# Altium PCB FMC_ADC_250M_16B_4ch.PcbDoc (part 1 of 8) (continued)
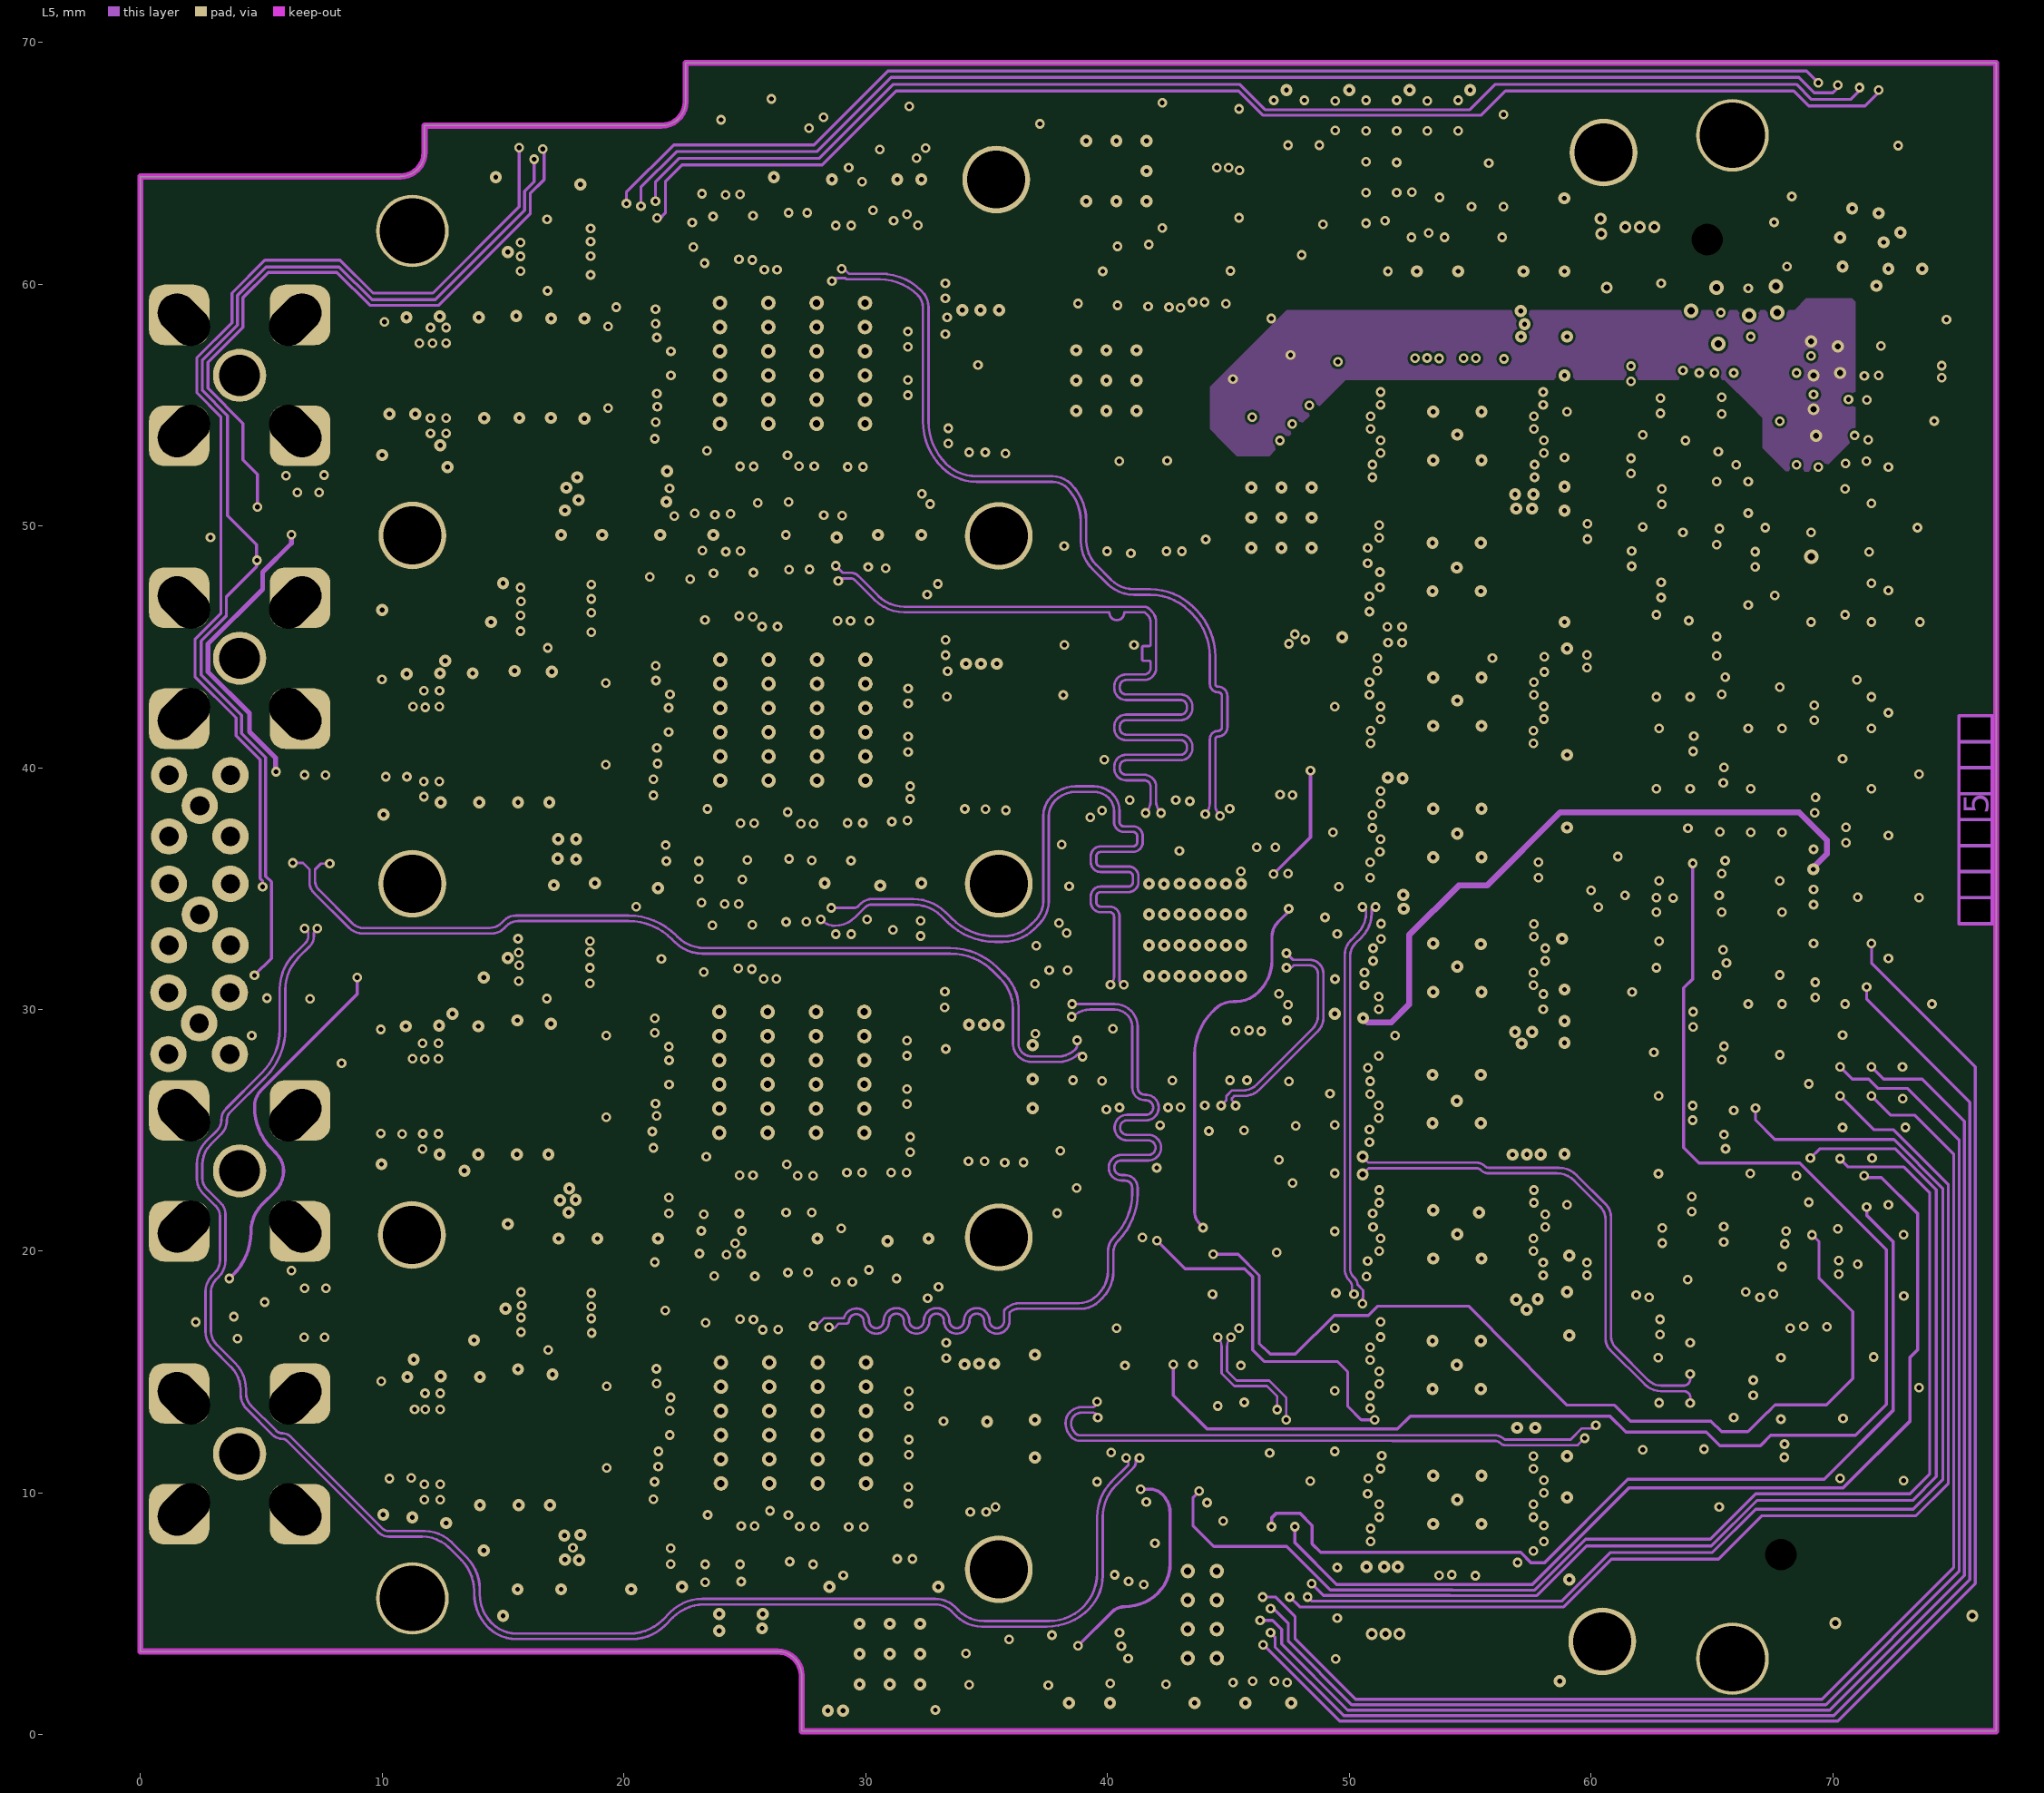
[diagram p5: L5]
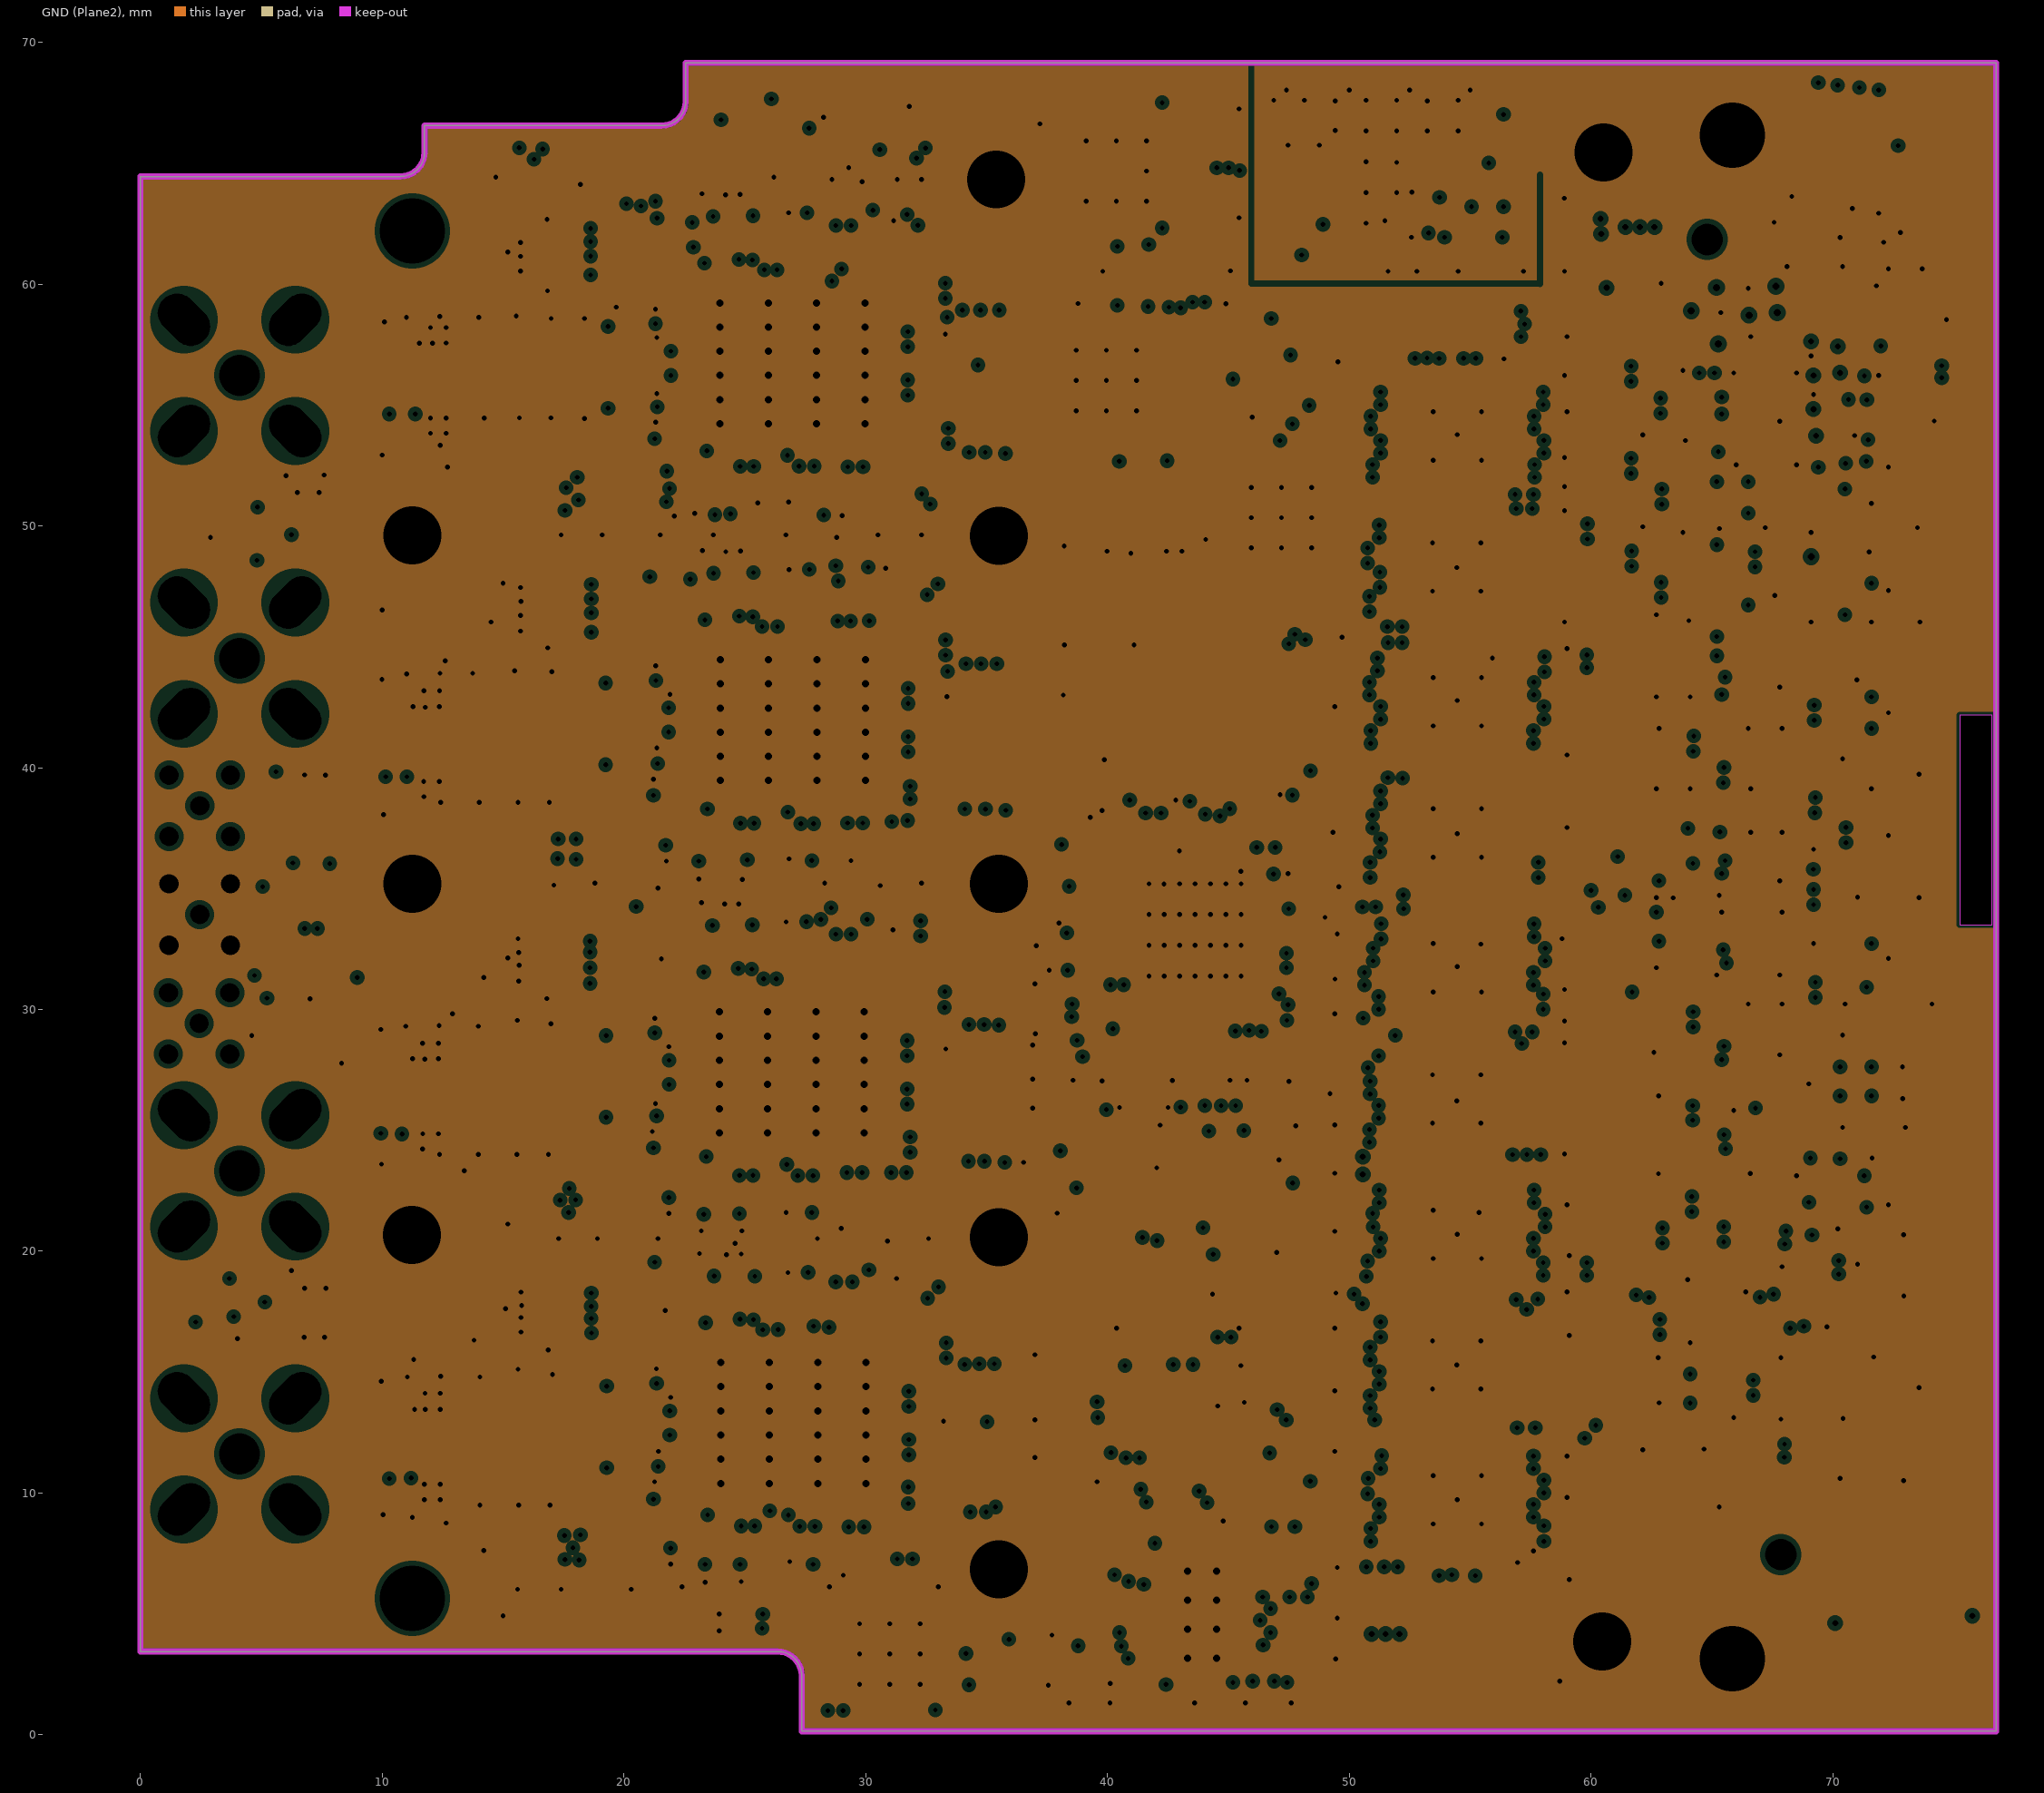
[diagram p6: GND (Plane2), clearances drawn from the general rule]
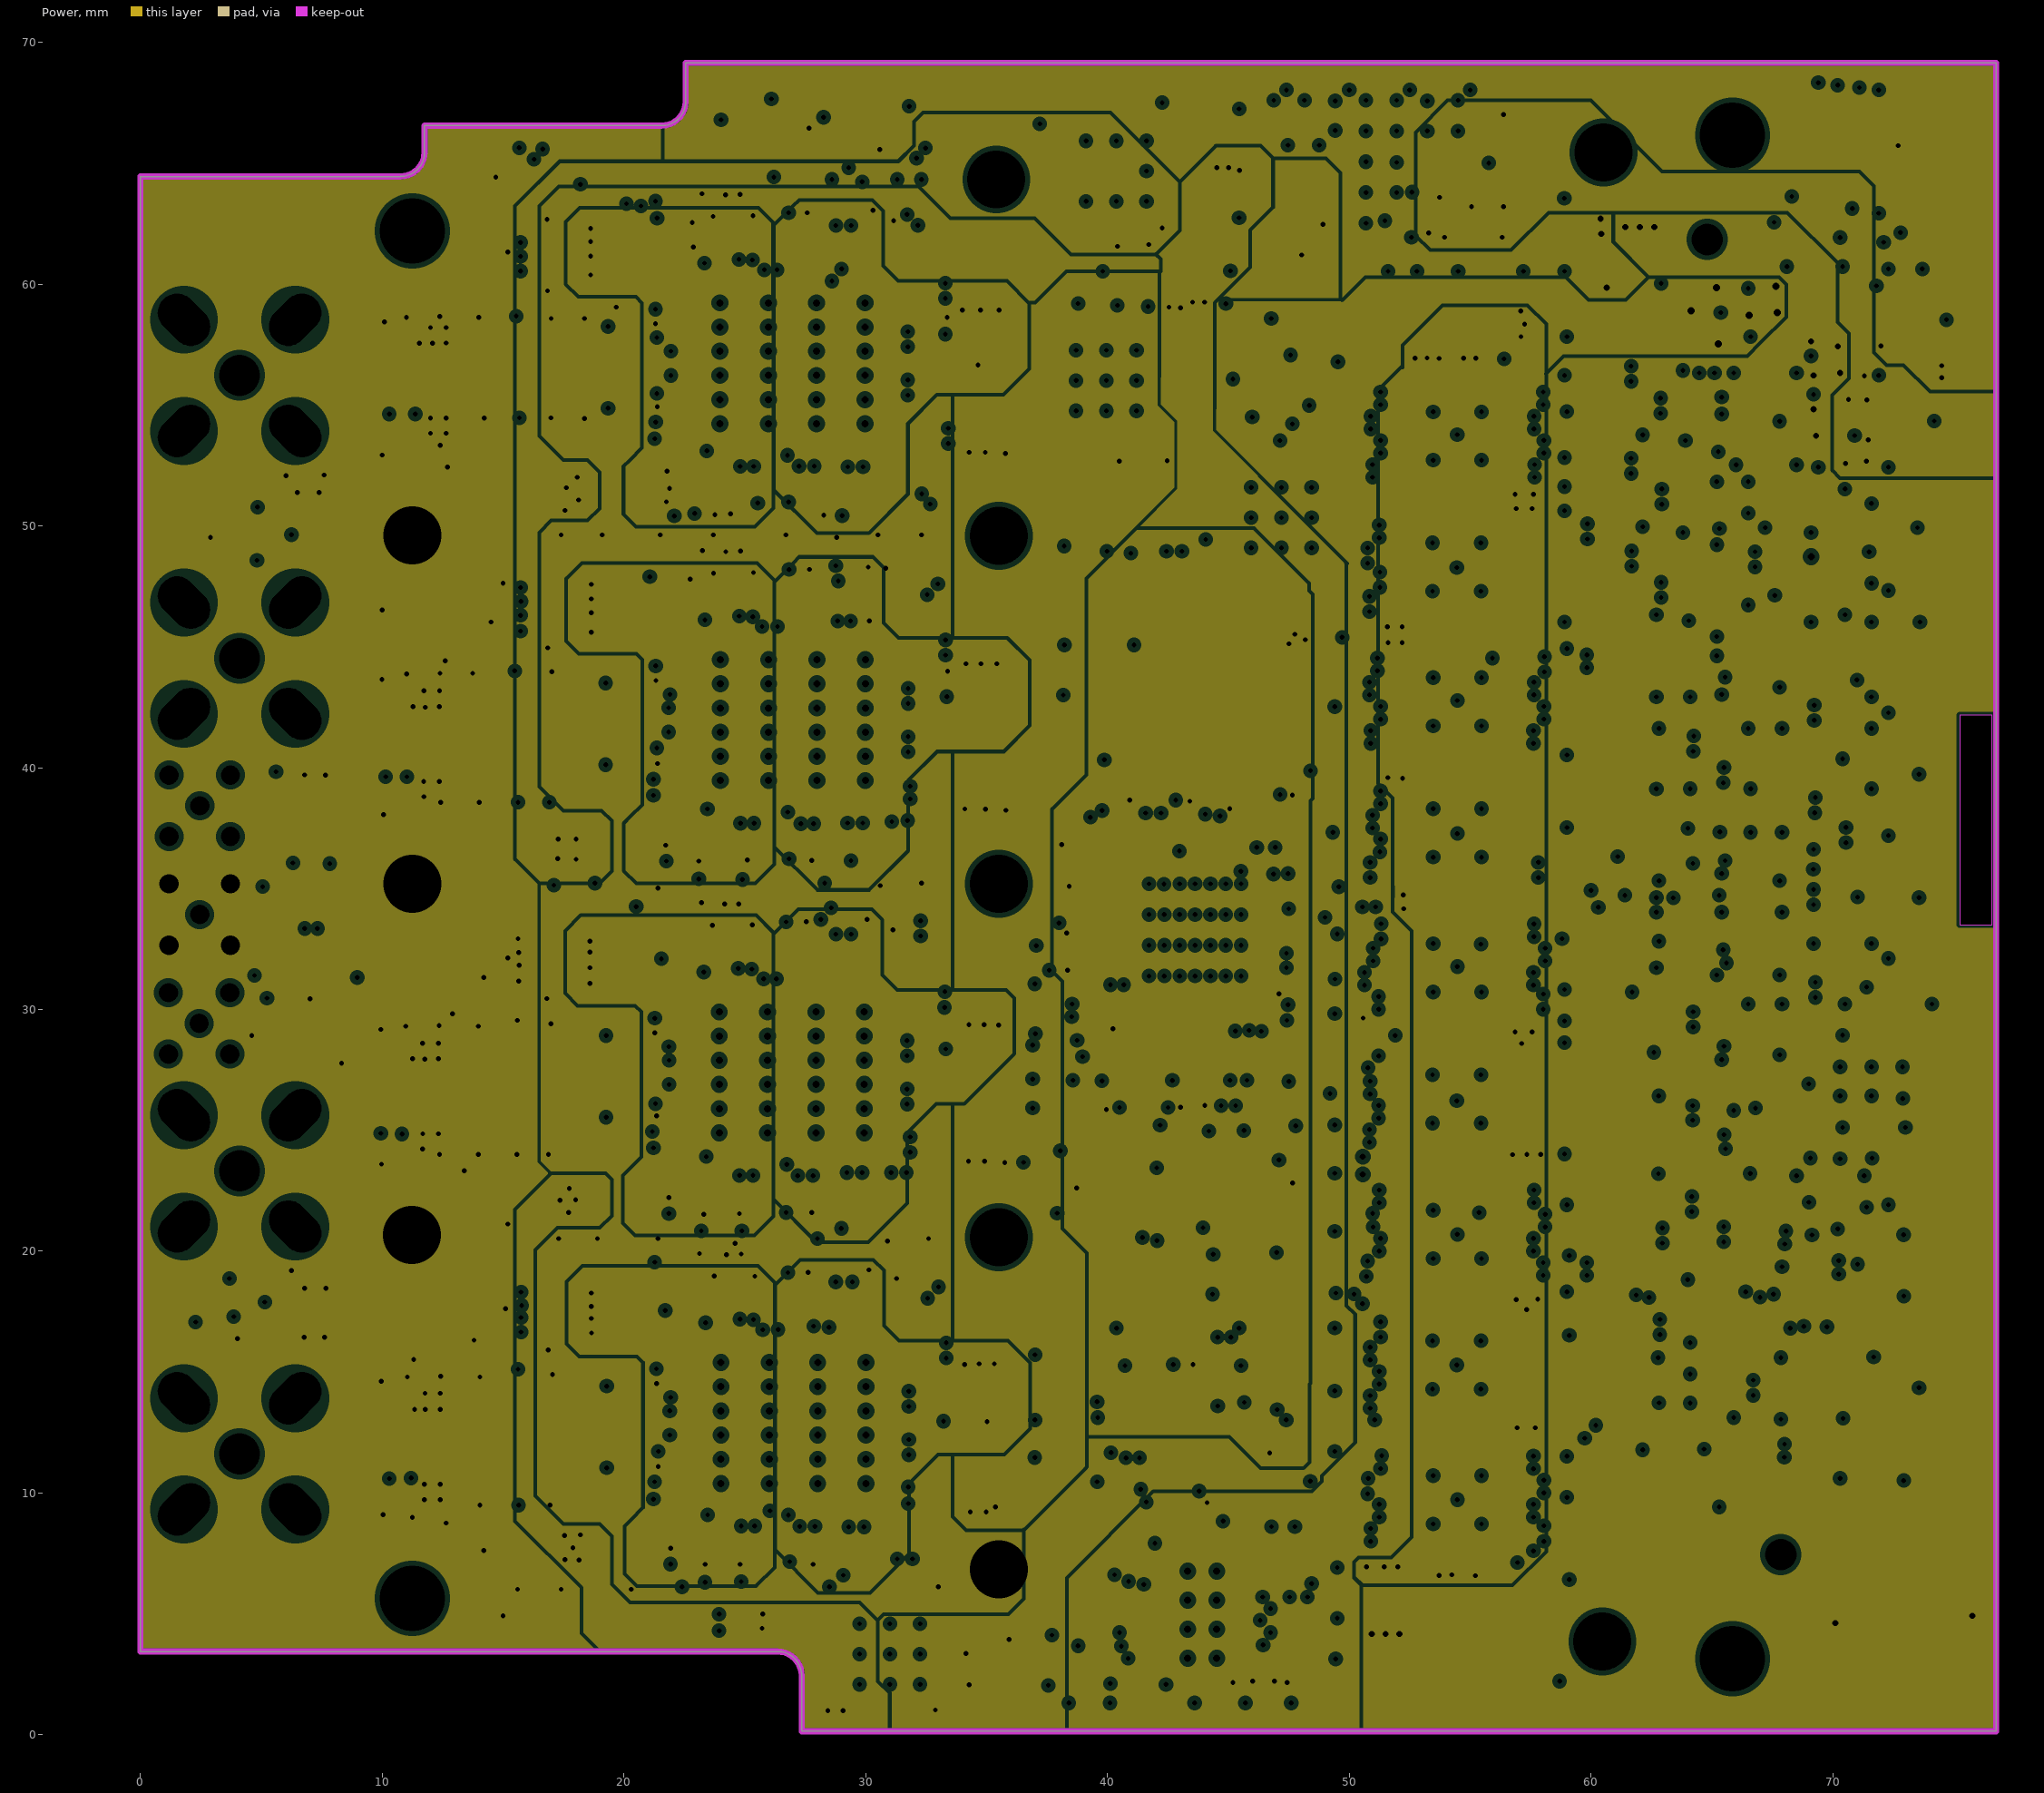
[diagram p7: Power, clearances drawn from the general rule]
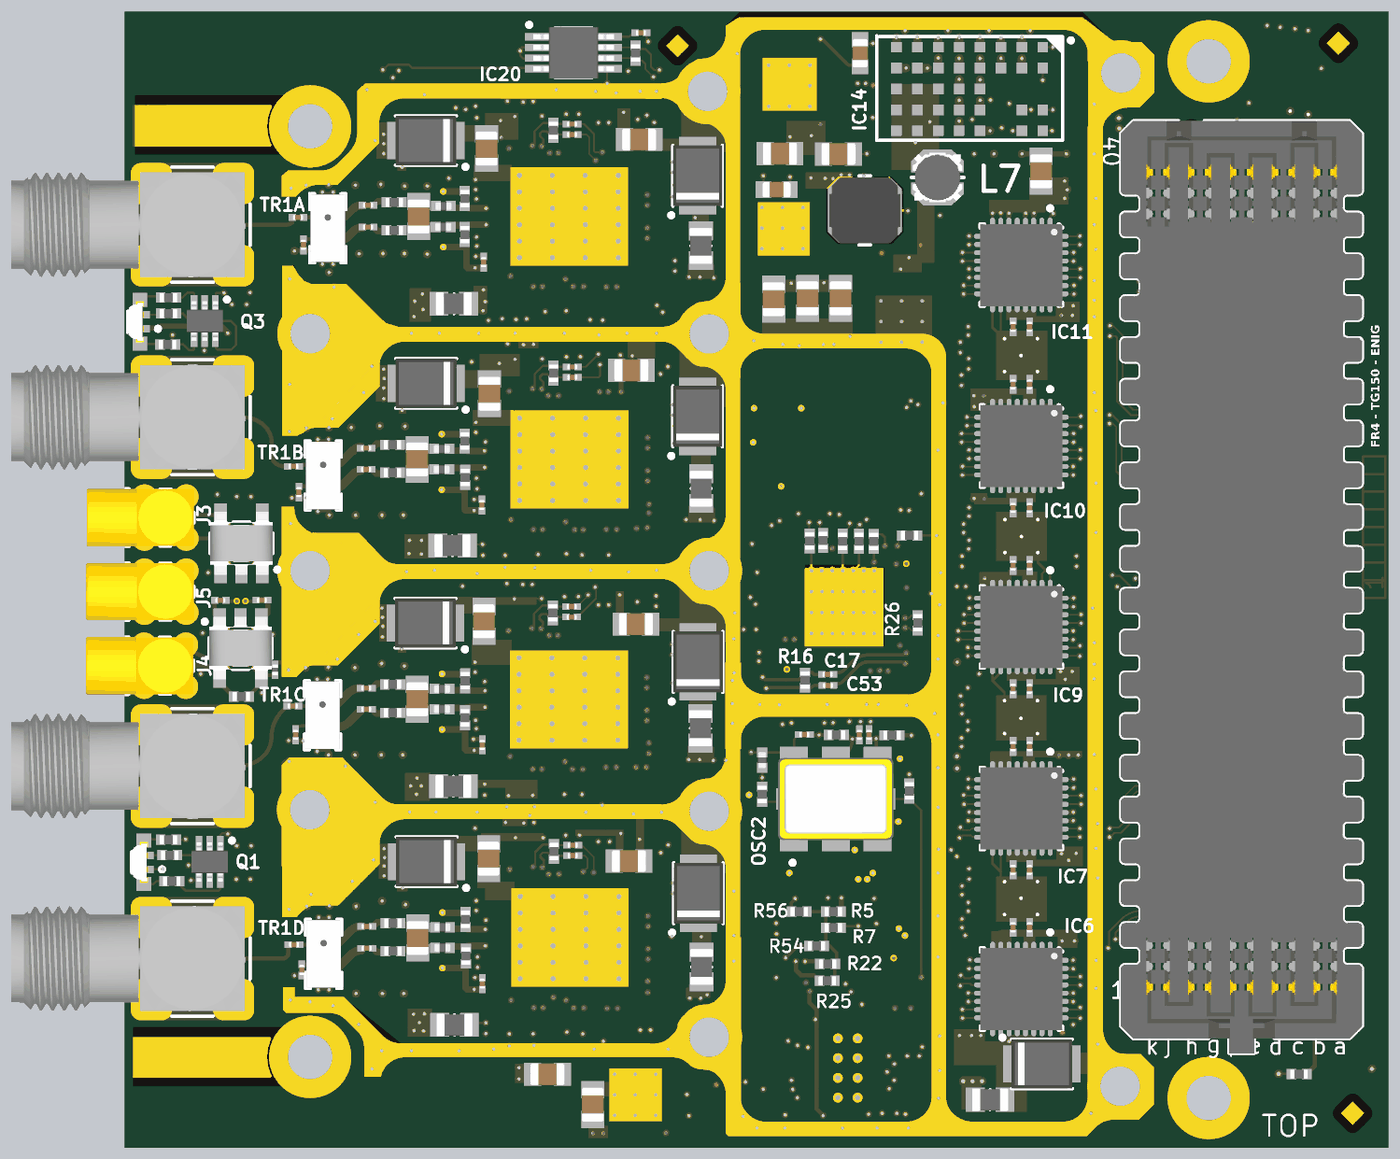
[diagram p15: 3D render of the assembled board from above, using the file's embedded part models]
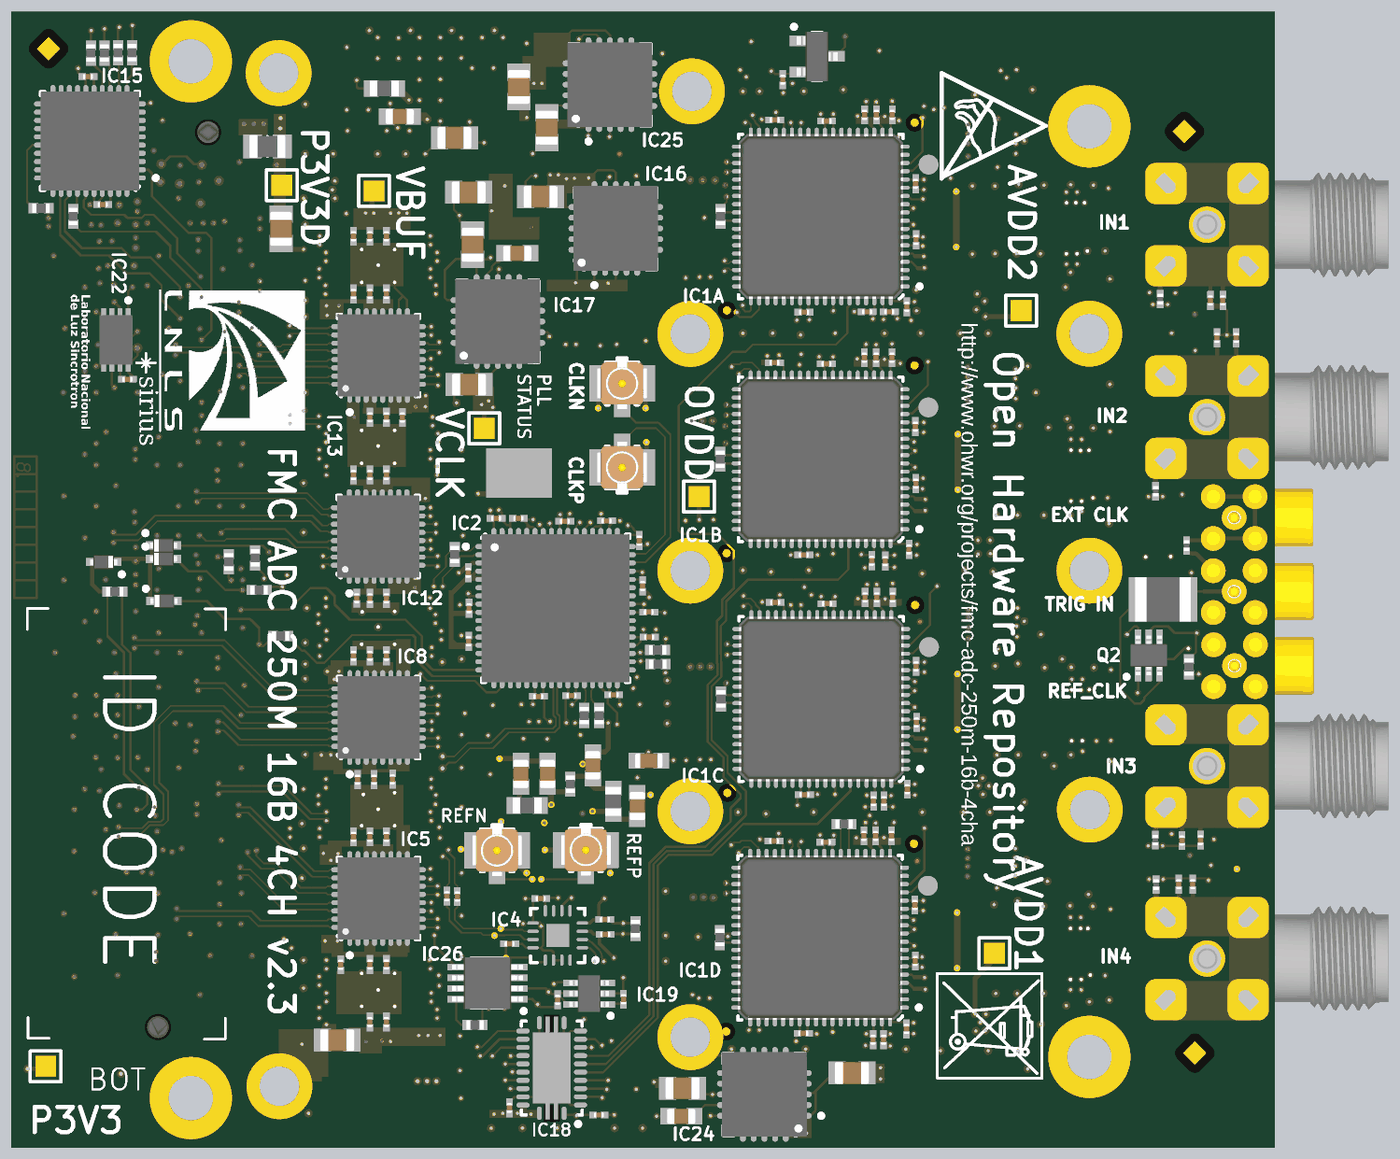
[diagram p16: 3D render of the assembled board from below, using the file's embedded part models]

## Layer stack, top to bottom
Top Solder: solder mask 0.01, Solder Resist, Dk 3.5
Top Layer: signal copper 0.035
Dielectric1: prepreg 0.23, FR-4, Dk 4.8
GND(SMAGND): signal copper 0.035
Dielectric4: core 0.38, FR-4, Dk 4.8
L3: signal copper 0.018
Dielectric3: prepreg 0.23, FR-4, Dk 4.8
GND: plane copper 0.035, net GND
Dielectric6: core 0.38, FR-4, Dk 4.8
L5: signal copper 0.035
Dielectric2: prepreg 0.23, FR-4, Dk 4.8
GND (Plane2): plane copper 0.035, net GND
Dielectric5: core 0.38, FR-4, Dk 4.8
Power: plane copper 0.035, net (Multiple Nets)
Dielectric7: prepreg 0.23, FR-4, Dk 4.8
Bottom Layer: signal copper 0.035
Bottom Solder: solder mask 0.01, Solder Resist, Dk 3.5

## Board outline
0.006,3.45 0.006,64.45 0.004,64.446 10.75,64.446 10.756,64.45 ccw(c10.756,65.45) 11.756,65.45 11.756,66.55 21.556,66.55 ccw(c21.556,67.55) 22.556,67.55 22.556,69.15 76.756,69.15 76.756,0.15 27.356,0.15 27.356,2.45 ccw(c26.356,2.45) 26.356,3.45
cut-out: 75.25,42.175 75.25,33.5 76.587,33.5 76.587,42.175

## Design rules (kind name [scope] priority, off if disabled: settings)
AcuteAngle [All] p1: minimum=4.50000000000000E+0001 checktracksonly=FALSE
Clearance "Clearance_gnd l3" [(InNamedPolygon('gnd L3'))] p1: gap=0.381 ignorepadtopadclearanceinfootprint=FALSE except(0: Arc-Hole Track-Hole SMDPad-Hole THPad-Hole Via-Hole Fill-Hole Poly-Hole Region-Hole Text-Hole)
Clearance Clearance_SMAgnd [OnLayer('GND(SMAGND)')] p2: gap=0.203 ignorepadtopadclearanceinfootprint=FALSE except(0: Arc-Hole Track-Hole SMDPad-Hole THPad-Hole Via-Hole Fill-Hole Poly-Hole Region-Hole Text-Hole)
Clearance "Clearance_poly gnd" [(InNamedPolygon('Top Layer-No Net') AND InNet('GND'))] p3: gap=0.254 ignorepadtopadclearanceinfootprint=FALSE except(0: Arc-Hole Track-Hole SMDPad-Hole THPad-Hole Via-Hole Fill-Hole Poly-Hole Region-Hole Text-Hole)
Clearance Clearance_diff_pairs [(InDifferentialPairClass('All Differential Pairs')) vs (InDifferentialPairClass('All Differential Pairs'))] p4 off: gap=0.127 ignorepadtopadclearanceinfootprint=FALSE except(0: Arc-Hole Track-Hole SMDPad-Hole THPad-Hole Via-Hole Fill-Hole Poly-Hole Region-Hole Text-Hole)
Clearance [All] p5: gap=0.102 ignorepadtopadclearanceinfootprint=FALSE except(0: Arc-Hole Track-Hole SMDPad-Hole THPad-Hole Via-Hole Fill-Hole Poly-Hole Region-Hole Text-Hole)
ComponentClearance [All] p1: gap=0 collisioncheckmode=3 verticalgap=0 showdistances=FALSE
DiffPairsRouting [All] p1: maxlimit=0.236 minlimit=0.1 mostfreqgap=0.127 toplayer_prefgap=0.229 toplayer_minwidth=0.1 toplayer_maxwidth=0.381 toplayer_prefwidth=0.381 midlayer1_maxgap=0.134 midlayer1_minwidth=0.1 midlayer1_maxwidth=0.381 midlayer1_prefwidth=0.381 midlayer2_maxgap=0.134 midlayer2_minwidth=0.1 midlayer2_maxwidth=0.381 midlayer2_prefwidth=0.381 midlayer3_maxgap=0.134 midlayer3_minwidth=0.1 midlayer3_maxwidth=0.381 midlayer3_prefwidth=0.381 bottomlayer_prefgap=0.152 bottomlayer_minwidth=0.1 bottomlayer_maxwidth=0.381 bottomlayer_prefwidth=0.152 maxuncoupledlength=15.24
FabricationTestPointUsage TestPointUsage [All] p1: valid=0 allowmultiple=FALSE
FabricationTestpoint Testpoint [(IsPad And (OnTopLayer Or OnBottomLayer))] p1: side=3 testpointundercomponent=TRUE minsize=1.016 maxsize=2.54 preferedsize=1.524 minholesize=0 maxholesize=1.016 preferedholesize=0.813 testpointgrid=0.025 allowsidetop=TRUE allowsidebottom=TRUE usegrid=TRUE gridtolerance=0
Height Height_Top [OnTop] p1: minheight=0 maxheight=12.7 prefheight=8.89
Height Height_Bot [OnBottom] p2: minheight=0 maxheight=1.651 prefheight=1.321
HoleSize [All] p1: absolutevalues=TRUE maxlimit=25.4 minlimit=0.025 maxpercent=80.000 minpercent=20.000
HoleToHoleClearance [All] p1: gap=0.127 allowstackedmicrovias=TRUE
Length [InNetClass('ADC0_D') or InNetClass('ADC1_D') or InNetClass('ADC1_D') or InNetClass('ADC3_D')] p1 off: maxlimit=17.5 minlimit=13.5
MatchedLengths "Schematic Matched Net Lengths" [InNetClass('ADC_CLK')] p1: tolerance=0.5 checknetsindiffpair=FALSE checkdiffpairvsdiffpair=TRUE checkxsignals=TRUE checkothers=TRUE
MatchedLengths [InNetClass('ADC0_D') or InNetClass('ADC1_D') or InNetClass('ADC1_D') or InNetClass('ADC3_D')] p2 off: tolerance=0.5 checknetsindiffpair=TRUE checkdiffpairvsdiffpair=FALSE checkxsignals=FALSE checkothers=FALSE
MinimumSolderMaskSliver [All] p1 off: minsoldermaskwidth=0.025
PlaneClearance [All] p1: clearance=0.203
PlaneConnect Vias_Plane [IsVia] p1: planeconnectstyle=Direct reliefexpansion=0.508 reliefentries=4 reliefconductorwidth=0.254 reliefairgap=0.254
PlaneConnect PlaneConnect_LEMO [(InComponent('J1') OR  InComponent('J2') OR  InComponent('J3') OR  InComponent('J4') OR  InComponent('J5') )] p2: planeconnectstyle=Relief reliefexpansion=0.254 reliefentries=4 reliefconductorwidth=0.25 reliefairgap=0.254
PlaneConnect PlaneConnect_1 [All] p3: planeconnectstyle=Relief reliefexpansion=0.203 reliefentries=4 reliefconductorwidth=0.203 reliefairgap=0.203
PolygonConnect Direc [InPadClass(Direc)] p1: connectstyle=Direct reliefconductorwidth=0.254 reliefentries=4 polygonreliefangle="90 Angle" airgapwidth=0.254
PolygonConnect Vias [IsVia] p2: connectstyle=Direct reliefconductorwidth=0.254 reliefentries=4 polygonreliefangle="90 Angle" airgapwidth=0.254
PolygonConnect PolygonConnect_LEMO [(InComponent('J1') OR InComponent('J2') OR InComponent('J3') OR InComponent('J4') OR InComponent('J5'))] p3: connectstyle=Relief reliefconductorwidth=0.25 reliefentries=4 polygonreliefangle="90 Angle" airgapwidth=0.254
PolygonConnect PolygonConnect_1 [All] p4: connectstyle=Relief reliefconductorwidth=0.254 reliefentries=4 polygonreliefangle="90 Angle" airgapwidth=0.254
RoomDefinition U_ADC_Buffers [InComponentClass('U_ADC_Buffers')] p1 off: confinementstyle=ConfineIn formatcopy=TRUE lockcomponents=FALSE outline 26.259,5.189 26.259,67.343 13.737,67.343 13.737,5.189
RoomDefinition U_Triggers [InComponentClass('U_Triggers')] p2 off: confinementstyle=ConfineIn formatcopy=TRUE lockcomponents=FALSE outline -0.614,3.843 25.116,3.843 25.116,67.572 -0.614,67.572
RoomDefinition U_Clock_Distribution [InComponentClass('U_Clock_Distribution')] p3 off: confinementstyle=ConfineIn formatcopy=TRUE lockcomponents=FALSE outline 41.042,7.932 63.597,7.932 63.597,70.086 41.042,70.086
RoomDefinition U_ADC1 [InComponentClass('U_ADC1')] p4 off: confinementstyle=ConfineIn formatcopy=TRUE lockcomponents=FALSE outline 7.971,49.721 37,49.721 37,64.221 7.971,64.221
RoomDefinition U_ADC2 [InComponentClass('U_ADC2')] p5 off: confinementstyle=ConfineIn formatcopy=TRUE lockcomponents=FALSE outline 7.985,34.967 37.014,34.967 37.014,49.467 7.985,49.467
RoomDefinition U_ADC4 [InComponentClass('U_ADC4')] p6 off: confinementstyle=ConfineIn formatcopy=TRUE lockcomponents=FALSE outline 8.013,5.9 37.042,5.9 37.042,20.4 8.013,20.4
RoomDefinition U_Supply [InComponentClass('U_Supply')] p7 off: confinementstyle=ConfineIn formatcopy=TRUE lockcomponents=FALSE outline 36.495,2.014 57.222,2.014 57.222,68.486 36.495,68.486
RoomDefinition U_FMC_connector [InComponentClass('U_FMC_connector')] p8 off: confinementstyle=ConfineIn formatcopy=TRUE lockcomponents=FALSE outline 59.329,48.555 75.839,48.555 75.839,67.224 59.329,67.224
RoomDefinition U_EEPROM_Temp_LEDs [InComponentClass('U_EEPROM_Temp_LEDs')] p9 off: confinementstyle=ConfineIn formatcopy=TRUE lockcomponents=FALSE outline 59.964,0.549 76.756,0.549 76.756,69.15 59.964,69.15
RoomDefinition U_ADC3 [InComponentClass('U_ADC3')] p10 off: confinementstyle=ConfineIn formatcopy=TRUE lockcomponents=FALSE outline 7.943,20.4 36.972,20.4 36.972,34.9 7.943,34.9
RoomDefinition FMC_ADC_top [InComponentClass('FMC_ADC_top')] p11 off: confinementstyle=ConfineIn formatcopy=TRUE lockcomponents=FALSE outline 0.656,2.581 10.434,2.581 10.434,16.086 0.656,16.086
RoutingVias [All] p1: holewidth=0.2 width=0.4 viastyle="Through Hole" minholewidth=0.2 minwidth=0.4 maxholewidth=0.4 maxwidth=0.8
SilkToSilkClearance [All] p1 off: silktosilkclearance=0.025
SilkToSolderMaskClearance SilkscreenOverComponentPads [IsPad] p1 off: minsilkscreentomaskgap=0.051 clearancetoexposedcopper=FALSE
SolderMaskExpansion [All] p1: expansion=0
ViasUnderSMD ViasUnderSMD_allow [InComponent('IC1A')   or InComponent('IC1B') or InComponent('IC1C') or InComponent('IC1D') or InComponent('IC16') or InComponent('IC17') or InComponent('IC24') or InComponent('IC12') or InComponent('IC2') or  InComponent('IC6')   or InComponent('IC5') or InComponent('IC1C') or InComponent('IC7')  or InComponent('IC8')  or InComponent('IC9')  or InComponent('IC12')    or InComponent('IC10')   or InComponent('IC13')   or InComponent('IC11')   or InComponent('IC4')   or InComponent('IC25')   or InComponent('IC15')    or InComponent('IC18')] p1: allowed=TRUE
ViasUnderSMD [All] p2: allowed=FALSE
Width Width_Pair_Diff [(InDifferentialPairClass('All Differential Pairs'))] p1: maxlimit=0.61 minlimit=0.102 preferedwidth=0.102 toplayer_maxwidth=0.254 midlayer1_maxwidth=0.102 midlayer2_maxwidth=0.102 midlayer3_minwidth=0.127 midlayer3_prefwidth=0.152 bottomlayer_maxwidth=0.102 minimp=50.000000 maximp=50.000000 favimp=50.000000